# EAGLE board Mk4 Final Panel 8up 2x4 (EAGLE 9.0.1), part 6 of 23 (continued)
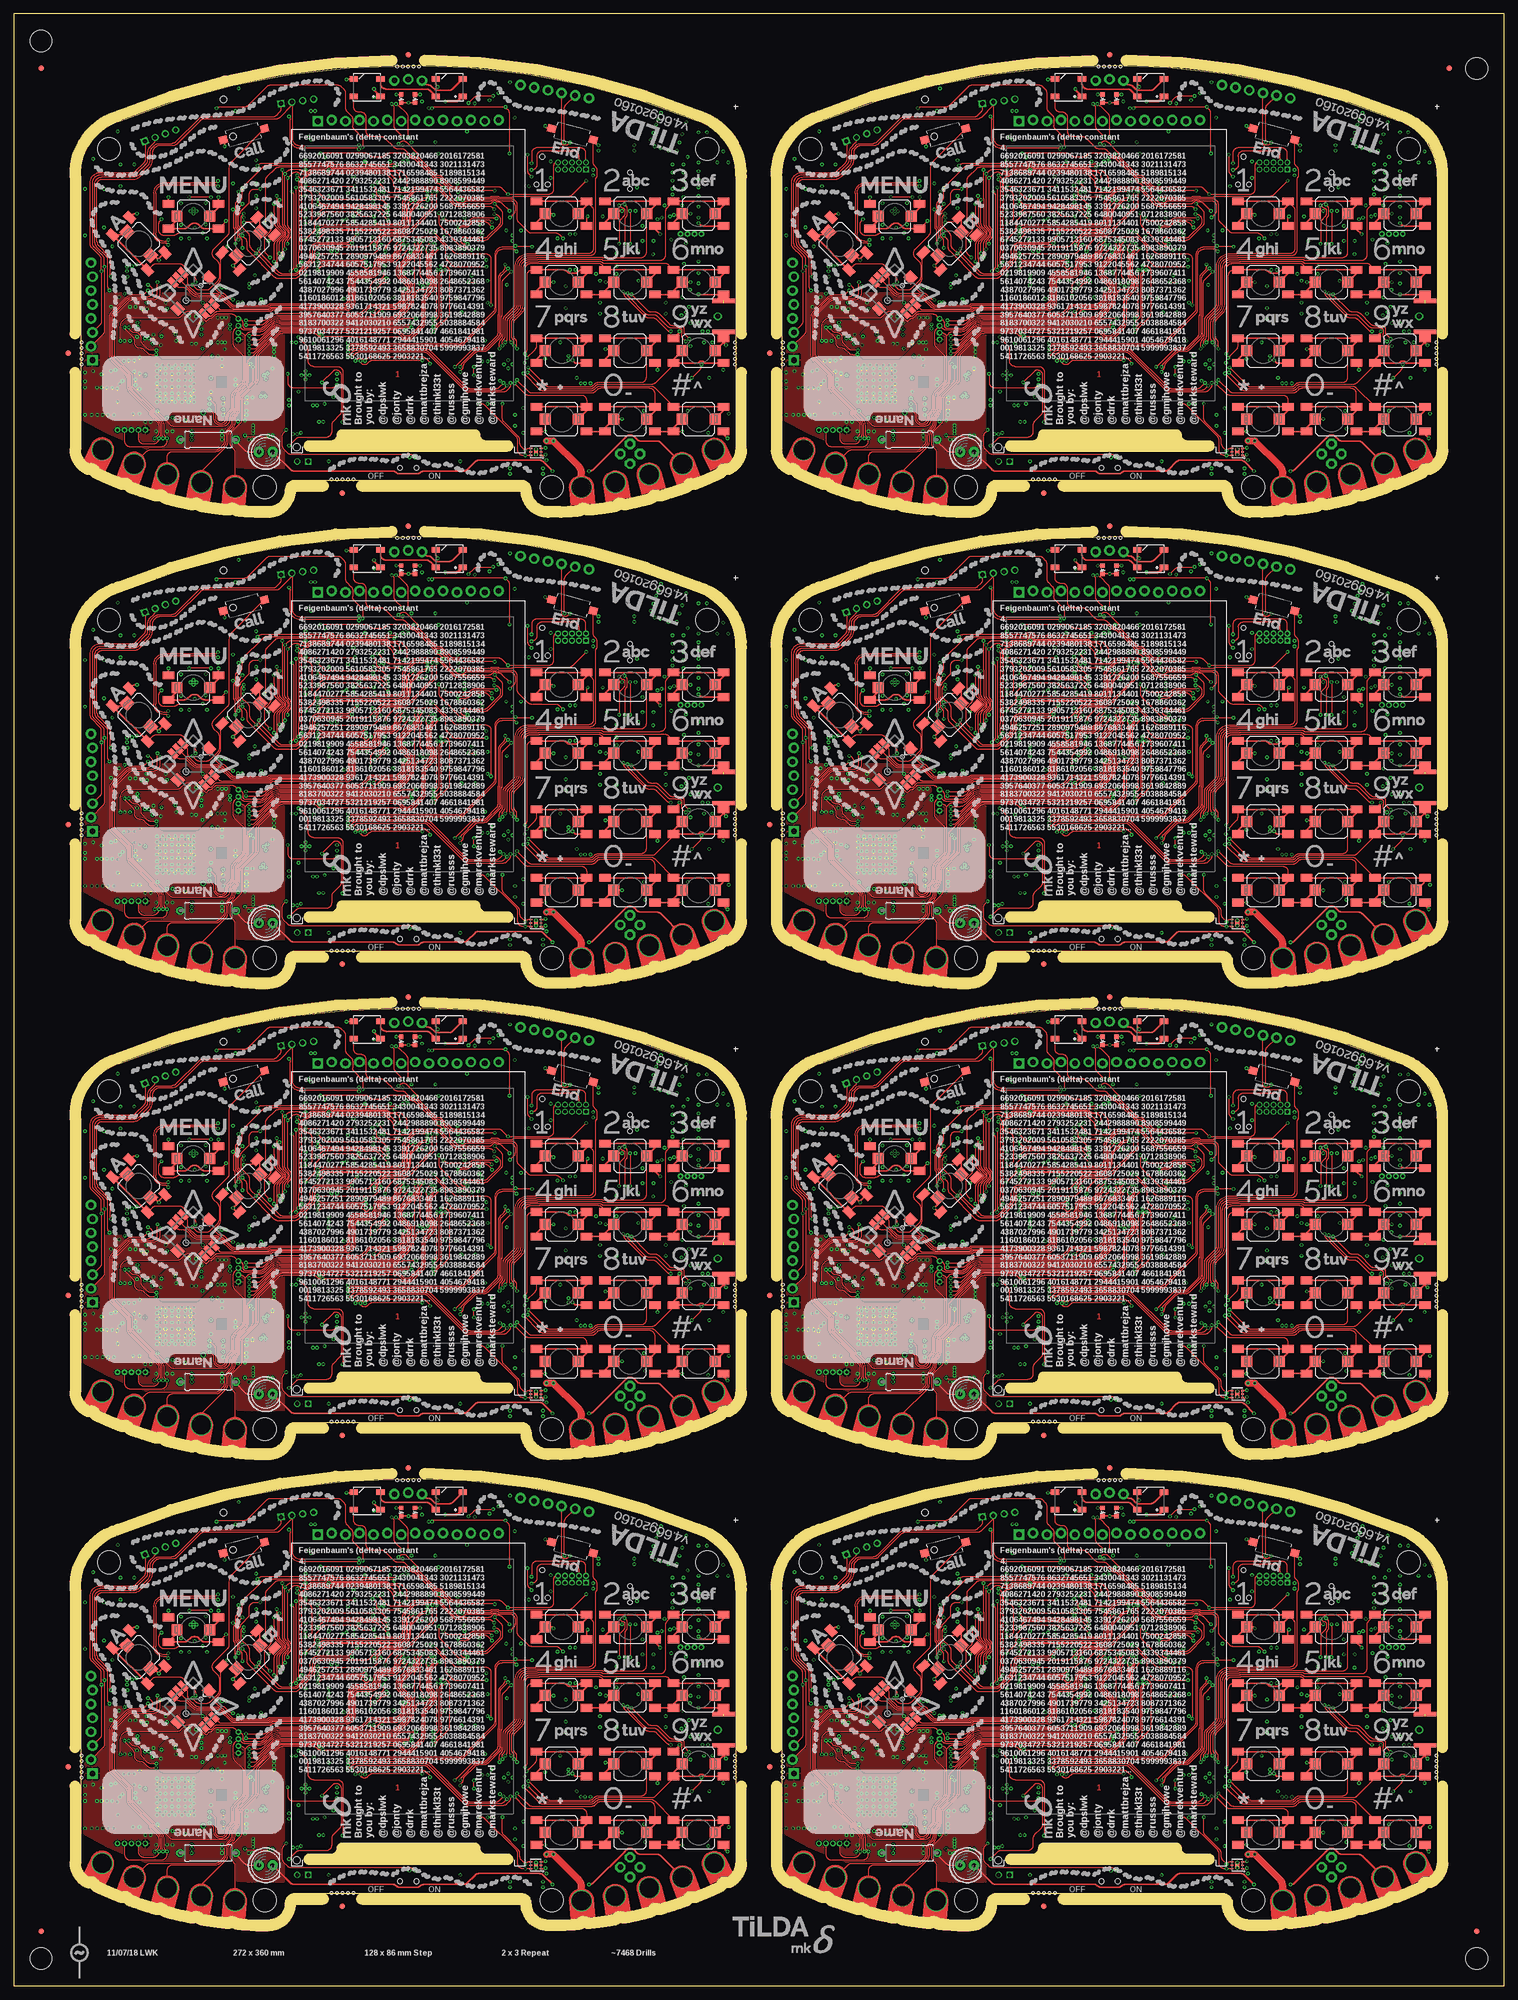
[diagram p0: board, top side]
## Tracks (layer width: path | path; a pad name or v marks a point on that pad's centre or on a via) (continued)
3V5  (via drill 0.3)
  Top 0.2: IC88.1 96.69,193.35 arc45 v97.05,193.5
  Top 0.3: SW5.COM 35.58,220.17 v34.5,221.25
  Bottom 0.15: v86.5,202.75 C534.1 86,203.5 arc-90 85.5,204 85.5,204.16 arc-90 IC86.5
  Bottom 0.2: IC74.9 75,227.75 C447.2 | IC74.8 75.4,230.19 arc-45 75.55,230.55 v75.75,230.75 75.8,230.7 IC74.7 | IC74.16 72.2,228.01 arc45 72.35,227.65 C446.2 v72.5,226.75 | IC74.47 63.46,236.4 arc45 C444.2 | IC74.113 80.14,236.8 arc45 80.84,237.09 C443.2 | IC74.79 71.4,245.44 arc45 71.11,246.14 C445.2 | IC74.69 67.4,243.86 arc-45 v67.25,243.5 67.15,243.6 arc-45 67,243.96 IC74.68 | 32.75,211.28 IC83.47 | IC74.90 75.8,243.55 v75.75,243.5 | IC74.51 v63,238 63.11,238.11 arc-45 63.81,238.4 IC74.52 | IC74.39 v65.5,233.2 | IC74.28 67.4,228.35 arc90 v67.75,228 arc90 68.2,228.45 IC74.26 | R327.1 v79.5,229.5 | IC74.122 78.62,233.2 arc-45 v78.5,233.25 | v97.05,193.5 C536.1 | IC74.101 80.95,241.6 v81.1,241.45 | R340.2 v84.75,231 | R339.2 85.07,233.32 arc-45 v85.5,233.5 | R378.1 20.5,223.5 arc-45 v20.25,222.9
  Bottom 0.25: J41.41 64.25,222 | J41.40 64.75,221.29 arc45 64.6,221.65 64.25,222 | J41.42 63.75,221.29 arc-45 63.9,221.65 64.25,222 | J41.35 v67.25,219.5 | J41.1 v84.25,219.5 | J41.8 v80.75,222 | J41.7 81.25,221.5 v80.75,222 | J41.9 80.25,221.5 v80.75,222 | C447.2 75.25,226.12 C448.2 75.5,225.62 v75.5,224.75 | v62,236.1 C444.2 | v82.25,237.75 C443.2 | v71,247 C445.2 | R322.2 v71,250 | R323.2 v62,244.25 | C521.1 32.16,212.5 arc45 31.46,212.21 arc45 31.25,211.71 IC83.44 | IC83.39 28.75,213.55 C522.1 | IC83.37 27.75,213.35 C520.1 | C523.1 v28,200.25 28.46,200.71 arc45 28.75,201.41 IC83.10 | C524.1 v36,207.5 35.9,207.6 arc45 35.54,207.75 IC83.54 | IC85.21 C455.2 | v86,214.3 R386.2 | JP39.8 74.35,255.71 arc45 74.5,256.06 C437.2 | IC82.6 33.12,235.03 v33.05,234.95 C509.1
  Bottom 0.3: 33.22,211.75 32.75,211.28 | R385.2 v21.25,214.25 | JP37.1 97.63,246.63 v98,247 | IC81.14 106.81,243.44 R368.2 C496.2 v105.75,244.5 | IC76.8 81.35,230.15 C436.2 v81.25,231 | R328.1 v90,224.5 | C462.2 54.43,226.25 IC73.27 54.33,226.25 v53.25,226.25 | v44.25,238.5 arc-45 43.77,238.3 IC73.43 41.8,238.3 C458.2 | v44.25,243 44.15,243.1 IC73.49 41.85,243.1 C461.2 | v53.25,245.5 IC73.3 C456.2 | v53.25,247.25 53.4,247.1 IC73.1 55.65,247.1 C460.2 | v53.25,240.75 53.3,240.7 IC73.9 55.7,240.7 C457.2 | v53.25,236.75 53.3,236.7 IC73.14 55.7,236.7 C459.2 | C477.2 v38,218.5 | C477.2 38.75,219 v38.75,218.5 | C477.2 37.25,219 v37.25,218.5 | v91,233.5 R362.2 | C535.1 R372.1 | R338.2 R337.2 v57.3,232.75 | C520.1 v26.85,213.5 | C438.2 80.89,252.61 JP39.11 | v92.6,234.45 C495.2 92.03,234.72 IC80.8 | J46.7 J46.3 | J48.7 J48.3 | IC89.5 C539.1 v90.6,191
  Bottom 0.4: 33.22,211.75 34.19,211.75 arc45 34.89,212.04 C525.1 35.6,213.39 arc-45 35.75,213.75 v36,214 | v33.25,213.75 33.25,213.66 arc-45 32.96,212.96 32.7,212.7 C521.1 32.5,212.7 v32.5,213.75 | C522.1 29.1,213.7 v29.65,214.25 | v38.25,203.75 R380.2 | v38.25,201.75 R381.2 | v28,220.15 28.5,220.15 arc90 29.5,221.15 C510.2 29.5,221.53 arc45 29.21,222.24 IC84.8 | R379.2 v24.25,221.25 | v86.5,210.5 C455.2 | v40.95,199.6 R372.1 | C478.2 v32.5,197 | C478.2 33,197.75 v32.5,197.75 | C478.2 33,196.25 v32.5,196.25 | IC90.1 99.05,194 C540.1 97.96,194 arc45 97.26,193.71 v97.05,193.5 | TP92.TP 45.55,205.95 v45.55,204.65
  Bottom 0.5: C439.2 89.14,254 JP39.14
  other vias: 64.5,225.25 45.15,204.15 45.95,204.15 46.3,208.35 46,207.35 45.7,207.95
  pour 3V3@2 (isolate 0.254, rank 6): 12.2,246.5 12.2,193 arc31 44,184 46.7,184 arc90 49.5,186.8 arc-90 51.5,188.8 92.5,188.8 arc-90 94.5,186.8 arc90 97.3,184 100,184 arc31 131.8,193 131.8,216.5 125.5,216.5 125.5,246.5 131.8,246.5 arc64 125.25,254.25 arc24 72,264.5 arc24 18.75,254.25 arc55
  pour Bottom (no thermals): 64.25,224 64.25,225.3 64.45,225.5 64.8,225.5 65,225.3 65,223.75 64.5,223.25 64.5,221.75 64,221.75 64,223.75
  pour Bottom (no thermals): 48.3,199.65 46.75,199.65 46.35,200.05 arc45 45.99,200.2 44.85,200.2 44.85,207.39 arc-45 45,207.75 45.85,208.6 arc-45 46.21,208.75 46.25,208.75 arc-90 46.75,208.25 46.75,208.11 arc-45 46.6,207.75 46.45,207.6 arc45 46.3,207.24 46.3,201.4 arc90 46.8,200.9 47.8,200.9 arc-90 48.3,200.4
  pour Top: 36.35,218.85 34.65,217.15 arc-45 34.29,217 28.41,217 arc45 27.71,216.71 26.79,215.79 arc45 26.5,215.09 26.5,212 arc90 27.5,211 33.09,211 arc45 33.79,211.29 37.71,215.21 arc45 38,215.91 38,216.29 arc-45 38.15,216.65 39.35,217.85 arc45 39.5,218.21 39.5,218.5 arc90 39,219 36.71,219 arc45
3V6  (via drill 0.3)
  Top 0.2: IC106.1 224.69,193.35 arc45 v225.05,193.5
  Top 0.3: SW6.COM 163.58,220.17 v162.5,221.25
  Bottom 0.15: v214.5,202.75 C642.1 214,203.5 arc-90 213.5,204 213.5,204.16 arc-90 IC104.5
  Bottom 0.2: IC92.9 203,227.75 C555.2 | IC92.8 203.4,230.19 arc-45 203.55,230.55 v203.75,230.75 203.8,230.7 IC92.7 | IC92.16 200.2,228.01 arc45 200.35,227.65 C554.2 v200.5,226.75 | IC92.47 191.46,236.4 arc45 C552.2 | IC92.113 208.14,236.8 arc45 208.84,237.09 C551.2 | IC92.79 199.4,245.44 arc45 199.11,246.14 C553.2 | IC92.69 195.4,243.86 arc-45 v195.25,243.5 195.15,243.6 arc-45 195,243.96 IC92.68 | 160.75,211.28 IC101.47 | IC92.90 203.8,243.55 v203.75,243.5 | IC92.51 v191,238 191.11,238.11 arc-45 191.81,238.4 IC92.52 | IC92.39 v193.5,233.2 | IC92.28 195.4,228.35 arc90 v195.75,228 arc90 196.2,228.45 IC92.26 | R405.1 v207.5,229.5 | IC92.122 206.62,233.2 arc-45 v206.5,233.25 | v225.05,193.5 C644.1 | IC92.101 208.95,241.6 v209.1,241.45 | R418.2 v212.75,231 | R417.2 213.07,233.32 arc-45 v213.5,233.5 | R456.1 148.5,223.5 arc-45 v148.25,222.9
  Bottom 0.25: J51.41 192.25,222 | J51.40 192.75,221.29 arc45 192.6,221.65 192.25,222 | J51.42 191.75,221.29 arc-45 191.9,221.65 192.25,222 | J51.35 v195.25,219.5 | J51.1 v212.25,219.5 | J51.8 v208.75,222 | J51.7 209.25,221.5 v208.75,222 | J51.9 208.25,221.5 v208.75,222 | C555.2 203.25,226.12 C556.2 203.5,225.62 v203.5,224.75 | v190,236.1 C552.2 | v210.25,237.75 C551.2 | v199,247 C553.2 | R400.2 v199,250 | R401.2 v190,244.25 | C629.1 160.16,212.5 arc45 159.46,212.21 arc45 159.25,211.71 IC101.44 | IC101.39 156.75,213.55 C630.1 | IC101.37 155.75,213.35 C628.1 | C631.1 v156,200.25 156.46,200.71 arc45 156.75,201.41 IC101.10 | C632.1 v164,207.5 163.9,207.6 arc45 163.54,207.75 IC101.54 | IC103.21 C563.2 | v214,214.3 R464.2 | JP48.8 202.35,255.71 arc45 202.5,256.06 C545.2 | IC100.6 161.12,235.03 v161.05,234.95 C617.1
  Bottom 0.3: 161.22,211.75 160.75,211.28 | R463.2 v149.25,214.25 | JP46.1 225.63,246.63 v226,247 | IC99.14 234.81,243.44 R446.2 C604.2 v233.75,244.5 | IC94.8 209.35,230.15 C544.2 v209.25,231 | R406.1 v218,224.5 | C570.2 182.43,226.25 IC91.27 182.33,226.25 v181.25,226.25 | v172.25,238.5 arc-45 171.77,238.3 IC91.43 169.8,238.3 C566.2 | v172.25,243 172.15,243.1 IC91.49 169.85,243.1 C569.2 | v181.25,245.5 IC91.3 C564.2 | v181.25,247.25 181.4,247.1 IC91.1 183.65,247.1 C568.2 | v181.25,240.75 181.3,240.7 IC91.9 183.7,240.7 C565.2 | v181.25,236.75 181.3,236.7 IC91.14 183.7,236.7 C567.2 | C585.2 v166,218.5 | C585.2 166.75,219 v166.75,218.5 | C585.2 165.25,219 v165.25,218.5 | v219,233.5 R440.2 | C643.1 R450.1 | R416.2 R415.2 v185.3,232.75 | C628.1 v154.85,213.5 | C546.2 208.89,252.61 JP48.11 | v220.6,234.45 C603.2 220.03,234.72 IC98.8 | J56.7 J56.3 | J58.7 J58.3 | IC107.5 C647.1 v218.6,191
  Bottom 0.4: 161.22,211.75 162.19,211.75 arc45 162.89,212.04 C633.1 163.6,213.39 arc-45 163.75,213.75 v164,214 | v161.25,213.75 161.25,213.66 arc-45 160.96,212.96 160.7,212.7 C629.1 160.5,212.7 v160.5,213.75 | C630.1 157.1,213.7 v157.65,214.25 | v166.25,203.75 R458.2 | v166.25,201.75 R459.2 | v156,220.15 156.5,220.15 arc90 157.5,221.15 C618.2 157.5,221.53 arc45 157.21,222.24 IC102.8 | R457.2 v152.25,221.25 | v214.5,210.5 C563.2 | v168.95,199.6 R450.1 | C586.2 v160.5,197 | C586.2 161,197.75 v160.5,197.75 | C586.2 161,196.25 v160.5,196.25 | IC108.1 227.05,194 C648.1 225.96,194 arc45 225.26,193.71 v225.05,193.5 | TP111.TP 173.55,205.95 v173.55,204.65
  Bottom 0.5: C547.2 217.14,254 JP48.14
  other vias: 192.5,225.25 173.15,204.15 173.95,204.15 174.3,208.35 174,207.35 173.7,207.95
  pour 3V3@2 (isolate 0.254, rank 6): 140.2,246.5 140.2,193 arc31 172,184 174.7,184 arc90 177.5,186.8 arc-90 179.5,188.8 220.5,188.8 arc-90 222.5,186.8 arc90 225.3,184 228,184 arc31 259.8,193 259.8,216.5 253.5,216.5 253.5,246.5 259.8,246.5 arc64 253.25,254.25 arc24 200,264.5 arc24 146.75,254.25 arc55
  pour Bottom (no thermals): 192.25,224 192.25,225.3 192.45,225.5 192.8,225.5 193,225.3 193,223.75 192.5,223.25 192.5,221.75 192,221.75 192,223.75
  pour Bottom (no thermals): 176.3,199.65 174.75,199.65 174.35,200.05 arc45 173.99,200.2 172.85,200.2 172.85,207.39 arc-45 173,207.75 173.85,208.6 arc-45 174.21,208.75 174.25,208.75 arc-90 174.75,208.25 174.75,208.11 arc-45 174.6,207.75 174.45,207.6 arc45 174.3,207.24 174.3,201.4 arc90 174.8,200.9 175.8,200.9 arc-90 176.3,200.4
  pour Top: 164.35,218.85 162.65,217.15 arc-45 162.29,217 156.41,217 arc45 155.71,216.71 154.79,215.79 arc45 154.5,215.09 154.5,212 arc90 155.5,211 161.09,211 arc45 161.79,211.29 165.71,215.21 arc45 166,215.91 166,216.29 arc-45 166.15,216.65 167.35,217.85 arc45 167.5,218.21 167.5,218.5 arc90 167,219 164.71,219 arc45
3V7  (via drill 0.3)
  Top 0.2: IC124.1 96.69,279.35 arc45 v97.05,279.5
  Top 0.3: SW7.COM 35.58,306.17 v34.5,307.25
  Bottom 0.15: v86.5,288.75 C750.1 86,289.5 arc-90 85.5,290 85.5,290.16 arc-90 IC122.5
  Bottom 0.2: IC110.9 75,313.75 C663.2 | IC110.8 75.4,316.19 arc-45 75.55,316.55 v75.75,316.75 75.8,316.7 IC110.7 | IC110.16 72.2,314.01 arc45 72.35,313.65 C662.2 v72.5,312.75 | IC110.47 63.46,322.4 arc45 C660.2 | IC110.113 80.14,322.8 arc45 80.84,323.09 C659.2 | IC110.79 71.4,331.44 arc45 71.11,332.14 C661.2 | IC110.69 67.4,329.86 arc-45 v67.25,329.5 67.15,329.6 arc-45 67,329.96 IC110.68 | 32.75,297.28 IC119.47 | IC110.90 75.8,329.55 v75.75,329.5 | IC110.51 v63,324 63.11,324.11 arc-45 63.81,324.4 IC110.52 | IC110.39 v65.5,319.2 | IC110.28 67.4,314.35 arc90 v67.75,314 arc90 68.2,314.45 IC110.26 | R483.1 v79.5,315.5 | IC110.122 78.62,319.2 arc-45 v78.5,319.25 | v97.05,279.5 C752.1 | IC110.101 80.95,327.6 v81.1,327.45 | R496.2 v84.75,317 | R495.2 85.07,319.32 arc-45 v85.5,319.5 | R534.1 20.5,309.5 arc-45 v20.25,308.9
  Bottom 0.25: J61.41 64.25,308 | J61.40 64.75,307.29 arc45 64.6,307.65 64.25,308 | J61.42 63.75,307.29 arc-45 63.9,307.65 64.25,308 | J61.35 v67.25,305.5 | J61.1 v84.25,305.5 | J61.8 v80.75,308 | J61.7 81.25,307.5 v80.75,308 | J61.9 80.25,307.5 v80.75,308 | C663.2 75.25,312.12 C664.2 75.5,311.62 v75.5,310.75 | v62,322.1 C660.2 | v82.25,323.75 C659.2 | v71,333 C661.2 | R478.2 v71,336 | R479.2 v62,330.25 | C737.1 32.16,298.5 arc45 31.46,298.21 arc45 31.25,297.71 IC119.44 | IC119.39 28.75,299.55 C738.1 | IC119.37 27.75,299.35 C736.1 | C739.1 v28,286.25 28.46,286.71 arc45 28.75,287.41 IC119.10 | C740.1 v36,293.5 35.9,293.6 arc45 35.54,293.75 IC119.54 | IC121.21 C671.2 | v86,300.3 R542.2 | JP57.8 74.35,341.71 arc45 74.5,342.06 C653.2 | IC118.6 33.12,321.02 v33.05,320.95 C725.1
  Bottom 0.3: 33.22,297.75 32.75,297.28 | R541.2 v21.25,300.25 | JP55.1 97.63,332.63 v98,333 | IC117.14 106.81,329.44 R524.2 C712.2 v105.75,330.5 | IC112.8 81.35,316.15 C652.2 v81.25,317 | R484.1 v90,310.5 | C678.2 54.43,312.25 IC109.27 54.33,312.25 v53.25,312.25 | v44.25,324.5 arc-45 43.77,324.3 IC109.43 41.8,324.3 C674.2 | v44.25,329 44.15,329.1 IC109.49 41.85,329.1 C677.2 | v53.25,331.5 IC109.3 C672.2 | v53.25,333.25 53.4,333.1 IC109.1 55.65,333.1 C676.2 | v53.25,326.75 53.3,326.7 IC109.9 55.7,326.7 C673.2 | v53.25,322.75 53.3,322.7 IC109.14 55.7,322.7 C675.2 | C693.2 v38,304.5 | C693.2 38.75,305 v38.75,304.5 | C693.2 37.25,305 v37.25,304.5 | v91,319.5 R518.2 | C751.1 R528.1 | R494.2 R493.2 v57.3,318.75 | C736.1 v26.85,299.5 | C654.2 80.89,338.61 JP57.11 | v92.6,320.45 C711.2 92.03,320.73 IC116.8 | J66.7 J66.3 | J68.7 J68.3 | IC125.5 C755.1 v90.6,277
  Bottom 0.4: 33.22,297.75 34.19,297.75 arc45 34.89,298.04 C741.1 35.6,299.39 arc-45 35.75,299.75 v36,300 | v33.25,299.75 33.25,299.66 arc-45 32.96,298.96 32.7,298.7 C737.1 32.5,298.7 v32.5,299.75 | C738.1 29.1,299.7 v29.65,300.25 | v38.25,289.75 R536.2 | v38.25,287.75 R537.2 | v28,306.15 28.5,306.15 arc90 29.5,307.15 C726.2 29.5,307.53 arc45 29.21,308.24 IC120.8 | R535.2 v24.25,307.25 | v86.5,296.5 C671.2 | v40.95,285.6 R528.1 | C694.2 v32.5,283 | C694.2 33,283.75 v32.5,283.75 | C694.2 33,282.25 v32.5,282.25 | IC126.1 99.05,280 C756.1 97.96,280 arc45 97.26,279.71 v97.05,279.5 | TP130.TP 45.55,291.95 v45.55,290.65
  Bottom 0.5: C655.2 89.14,340 JP57.14
  other vias: 64.5,311.25 45.15,290.15 45.95,290.15 46.3,294.35 46,293.35 45.7,293.95
  pour 3V3@2 (isolate 0.254, rank 6): 12.2,332.5 12.2,279 arc31 44,270 46.7,270 arc90 49.5,272.8 arc-90 51.5,274.8 92.5,274.8 arc-90 94.5,272.8 arc90 97.3,270 100,270 arc31 131.8,279 131.8,302.5 125.5,302.5 125.5,332.5 131.8,332.5 arc64 125.25,340.25 arc24 72,350.5 arc24 18.75,340.25 arc55
  pour Bottom (no thermals): 64.25,310 64.25,311.3 64.45,311.5 64.8,311.5 65,311.3 65,309.75 64.5,309.25 64.5,307.75 64,307.75 64,309.75
  pour Bottom (no thermals): 48.3,285.65 46.75,285.65 46.35,286.05 arc45 45.99,286.2 44.85,286.2 44.85,293.39 arc-45 45,293.75 45.85,294.6 arc-45 46.21,294.75 46.25,294.75 arc-90 46.75,294.25 46.75,294.11 arc-45 46.6,293.75 46.45,293.6 arc45 46.3,293.24 46.3,287.4 arc90 46.8,286.9 47.8,286.9 arc-90 48.3,286.4
  pour Top: 36.35,304.85 34.65,303.15 arc-45 34.29,303 28.41,303 arc45 27.71,302.71 26.79,301.79 arc45 26.5,301.09 26.5,298 arc90 27.5,297 33.09,297 arc45 33.79,297.29 37.71,301.21 arc45 38,301.91 38,302.29 arc-45 38.15,302.65 39.35,303.85 arc45 39.5,304.21 39.5,304.5 arc90 39,305 36.71,305 arc45
3V8  (via drill 0.3)
  Top 0.2: IC142.1 224.69,279.35 arc45 v225.05,279.5
  Top 0.3: SW8.COM 163.58,306.17 v162.5,307.25
  Bottom 0.15: v214.5,288.75 C858.1 214,289.5 arc-90 213.5,290 213.5,290.16 arc-90 IC140.5
  Bottom 0.2: IC128.9 203,313.75 C771.2 | IC128.8 203.4,316.19 arc-45 203.55,316.55 v203.75,316.75 203.8,316.7 IC128.7 | IC128.16 200.2,314.01 arc45 200.35,313.65 C770.2 v200.5,312.75 | IC128.47 191.46,322.4 arc45 C768.2 | IC128.113 208.14,322.8 arc45 208.84,323.09 C767.2 | IC128.79 199.4,331.44 arc45 199.11,332.14 C769.2 | IC128.69 195.4,329.86 arc-45 v195.25,329.5 195.15,329.6 arc-45 195,329.96 IC128.68 | 160.75,297.28 IC137.47 | IC128.90 203.8,329.55 v203.75,329.5 | IC128.51 v191,324 191.11,324.11 arc-45 191.81,324.4 IC128.52 | IC128.39 v193.5,319.2 | IC128.28 195.4,314.35 arc90 v195.75,314 arc90 196.2,314.45 IC128.26 | R561.1 v207.5,315.5 | IC128.122 206.62,319.2 arc-45 v206.5,319.25 | v225.05,279.5 C860.1 | IC128.101 208.95,327.6 v209.1,327.45 | R574.2 v212.75,317 | R573.2 213.07,319.32 arc-45 v213.5,319.5 | R612.1 148.5,309.5 arc-45 v148.25,308.9
  Bottom 0.25: J71.41 192.25,308 | J71.40 192.75,307.29 arc45 192.6,307.65 192.25,308 | J71.42 191.75,307.29 arc-45 191.9,307.65 192.25,308 | J71.35 v195.25,305.5 | J71.1 v212.25,305.5 | J71.8 v208.75,308 | J71.7 209.25,307.5 v208.75,308 | J71.9 208.25,307.5 v208.75,308 | C771.2 203.25,312.12 C772.2 203.5,311.62 v203.5,310.75 | v190,322.1 C768.2 | v210.25,323.75 C767.2 | v199,333 C769.2 | R556.2 v199,336 | R557.2 v190,330.25 | C845.1 160.16,298.5 arc45 159.46,298.21 arc45 159.25,297.71 IC137.44 | IC137.39 156.75,299.55 C846.1 | IC137.37 155.75,299.35 C844.1 | C847.1 v156,286.25 156.46,286.71 arc45 156.75,287.41 IC137.10 | C848.1 v164,293.5 163.9,293.6 arc45 163.54,293.75 IC137.54 | IC139.21 C779.2 | v214,300.3 R620.2 | JP66.8 202.35,341.71 arc45 202.5,342.06 C761.2 | IC136.6 161.12,321.02 v161.05,320.95 C833.1
  Bottom 0.3: 161.22,297.75 160.75,297.28 | R619.2 v149.25,300.25 | JP64.1 225.63,332.63 v226,333 | IC135.14 234.81,329.44 R602.2 C820.2 v233.75,330.5 | IC130.8 209.35,316.15 C760.2 v209.25,317 | R562.1 v218,310.5 | C786.2 182.43,312.25 IC127.27 182.33,312.25 v181.25,312.25 | v172.25,324.5 arc-45 171.77,324.3 IC127.43 169.8,324.3 C782.2 | v172.25,329 172.15,329.1 IC127.49 169.85,329.1 C785.2 | v181.25,331.5 IC127.3 C780.2 | v181.25,333.25 181.4,333.1 IC127.1 183.65,333.1 C784.2 | v181.25,326.75 181.3,326.7 IC127.9 183.7,326.7 C781.2 | v181.25,322.75 181.3,322.7 IC127.14 183.7,322.7 C783.2 | C801.2 v166,304.5 | C801.2 166.75,305 v166.75,304.5 | C801.2 165.25,305 v165.25,304.5 | v219,319.5 R596.2 | C859.1 R606.1 | R572.2 R571.2 v185.3,318.75 | C844.1 v154.85,299.5 | C762.2 208.89,338.61 JP66.11 | v220.6,320.45 C819.2 220.03,320.73 IC134.8 | J76.7 J76.3 | J78.7 J78.3 | IC143.5 C863.1 v218.6,277
  Bottom 0.4: 161.22,297.75 162.19,297.75 arc45 162.89,298.04 C849.1 163.6,299.39 arc-45 163.75,299.75 v164,300 | v161.25,299.75 161.25,299.66 arc-45 160.96,298.96 160.7,298.7 C845.1 160.5,298.7 v160.5,299.75 | C846.1 157.1,299.7 v157.65,300.25 | v166.25,289.75 R614.2 | v166.25,287.75 R615.2 | v156,306.15 156.5,306.15 arc90 157.5,307.15 C834.2 157.5,307.53 arc45 157.21,308.24 IC138.8 | R613.2 v152.25,307.25 | v214.5,296.5 C779.2 | v168.95,285.6 R606.1 | C802.2 v160.5,283 | C802.2 161,283.75 v160.5,283.75 | C802.2 161,282.25 v160.5,282.25 | IC144.1 227.05,280 C864.1 225.96,280 arc45 225.26,279.71 v225.05,279.5 | TP149.TP 173.55,291.95 v173.55,290.65
  Bottom 0.5: C763.2 217.14,340 JP66.14
  other vias: 192.5,311.25 173.15,290.15 173.95,290.15 174.3,294.35 174,293.35 173.7,293.95
  pour 3V3@2 (isolate 0.254, rank 6): 140.2,332.5 140.2,279 arc31 172,270 174.7,270 arc90 177.5,272.8 arc-90 179.5,274.8 220.5,274.8 arc-90 222.5,272.8 arc90 225.3,270 228,270 arc31 259.8,279 259.8,302.5 253.5,302.5 253.5,332.5 259.8,332.5 arc64 253.25,340.25 arc24 200,350.5 arc24 146.75,340.25 arc55
  pour Bottom (no thermals): 192.25,310 192.25,311.3 192.45,311.5 192.8,311.5 193,311.3 193,309.75 192.5,309.25 192.5,307.75 192,307.75 192,309.75
  pour Bottom (no thermals): 176.3,285.65 174.75,285.65 174.35,286.05 arc45 173.99,286.2 172.85,286.2 172.85,293.39 arc-45 173,293.75 173.85,294.6 arc-45 174.21,294.75 174.25,294.75 arc-90 174.75,294.25 174.75,294.11 arc-45 174.6,293.75 174.45,293.6 arc45 174.3,293.24 174.3,287.4 arc90 174.8,286.9 175.8,286.9 arc-90 176.3,286.4
  pour Top: 164.35,304.85 162.65,303.15 arc-45 162.29,303 156.41,303 arc45 155.71,302.71 154.79,301.79 arc45 154.5,301.09 154.5,298 arc90 155.5,297 161.09,297 arc45 161.79,297.29 165.71,301.21 arc45 166,301.91 166,302.29 arc-45 166.15,302.65 167.35,303.85 arc45 167.5,304.21 167.5,304.5 arc90 167,305 164.71,305 arc45
!HIB
  Bottom 0.2: IC1.65 65.8,73.24 arc45 65.65,73.6 65.6,73.65 arc90 64.9,73.65 64.4,73.15 TP1.TP
!HIB1
  Bottom 0.2: IC20.65 193.8,73.24 arc45 193.65,73.6 193.6,73.65 arc90 192.9,73.65 192.4,73.15 TP20.TP
!HIB2
  Bottom 0.2: IC38.65 65.8,159.24 arc45 65.65,159.6 65.6,159.65 arc90 64.9,159.65 64.4,159.15 TP39.TP
!HIB3
  Bottom 0.2: IC56.65 193.8,159.24 arc45 193.65,159.6 193.6,159.65 arc90 192.9,159.65 192.4,159.15 TP58.TP
!HIB4
  Bottom 0.2: IC74.65 65.8,245.24 arc45 65.65,245.6 65.6,245.65 arc90 64.9,245.65 64.4,245.15 TP77.TP
!HIB5
  Bottom 0.2: IC92.65 193.8,245.24 arc45 193.65,245.6 193.6,245.65 arc90 192.9,245.65 192.4,245.15 TP96.TP
!HIB6
  Bottom 0.2: IC110.65 65.8,331.24 arc45 65.65,331.6 65.6,331.65 arc90 64.9,331.65 64.4,331.15 TP115.TP
!HIB7
  Bottom 0.2: IC128.65 193.8,331.24 arc45 193.65,331.6 193.6,331.65 arc90 192.9,331.65 192.4,331.15 TP134.TP
!RESET  (via drill 0.3)
  Top 0.15: v89.7,56.2 89.7,55.81 arc-45 89.41,55.11 88.82,54.52 arc45 88.53,53.81 88.53,47.15 arc-45 88.5,47.08 88.43,47.01 arc45 88.4,46.94 88.4,43.76 arc-45 88.11,43.06 86.24,41.19 arc-45 85.54,40.9 84.31,40.9 arc45 83.61,40.61 v80.5,37.5
  Top 0.2: J3.10 98.84,74.84 arc45 98.6,74.27 98.6,70.05 arc-90 97.6,69.05 v90.2,69.05 89.19,70.06 arc45 88.49,70.35 80.46,70.35 arc-45 79.75,70.64 78.14,72.25 arc45 77.79,72.4 77.67,72.4 arc-45 76.96,72.69 74.02,75.63 arc-45 73.73,76.34 arc45 73.6,76.65 71.83,78.42 arc90 70.42,78.42 v70.25,78.25
  3V3@2 0.15: v90.2,69.05 90.2,66.8 88.62,65.22 88.62,64.38 88.5,64.26 88.5,58.65 89.7,57.45 v89.7,56.2
  Bottom 0.15: IC1.70 67.8,73.59 arc-45 67.95,73.95 68.25,74.25 arc-45 68.61,74.4 68.79,74.4 arc45 69.15,74.55 69.85,75.25 arc45 70,75.61 C15.2 | R4.1 70,77.79 arc-45 70.15,78.15 v70.25,78.25 | v80.5,37.5 80.5,31.82 arc45 81.01,30.59 86.09,25.51 arc45 87.33,25 90.45,25 arc-90 91.7,23.75 91.7,22.16 arc-45 91.41,21.46 90.41,20.46 arc-45 90.27,20.4 89.56,20.4 arc45 89.42,20.34 89.38,20.31 arc-45 89.24,20.25 S19.2
  Bottom 0.2: C15.2 R4.1
!RESET1  (via drill 0.3)
  Top 0.15: v217.7,56.2 217.7,55.81 arc-45 217.41,55.11 216.82,54.52 arc45 216.53,53.81 216.53,47.15 arc-45 216.5,47.08 216.43,47.01 arc45 216.4,46.94 216.4,43.76 arc-45 216.11,43.06 214.24,41.19 arc-45 213.54,40.9 212.31,40.9 arc45 211.61,40.61 v208.5,37.5
  Top 0.2: J13.10 226.84,74.84 arc45 226.6,74.27 226.6,70.05 arc-90 225.6,69.05 v218.2,69.05 217.19,70.06 arc45 216.49,70.35 208.46,70.35 arc-45 207.75,70.64 206.14,72.25 arc45 205.79,72.4 205.67,72.4 arc-45 204.96,72.69 202.02,75.63 arc-45 201.73,76.34 arc45 201.6,76.65 199.83,78.42 arc90 198.42,78.42 v198.25,78.25
  3V3@2 0.15: v218.2,69.05 218.2,66.8 216.62,65.22 216.62,64.38 216.5,64.26 216.5,58.65 217.7,57.45 v217.7,56.2
  Bottom 0.15: IC20.70 195.8,73.59 arc-45 195.95,73.95 196.25,74.25 arc-45 196.61,74.4 196.79,74.4 arc45 197.15,74.55 197.85,75.25 arc45 198,75.61 C125.2 | R88.1 198,77.79 arc-45 198.15,78.15 v198.25,78.25 | v208.5,37.5 208.5,31.82 arc45 209.01,30.59 214.09,25.51 arc45 215.32,25 218.45,25 arc-90 219.7,23.75 219.7,22.16 arc-45 219.41,21.46 218.41,20.46 arc-45 218.27,20.4 217.56,20.4 arc45 217.42,20.34 217.38,20.31 arc-45 217.24,20.25 S40.2
  Bottom 0.2: C125.2 R88.1
!RESET2  (via drill 0.3)
  Top 0.15: v89.7,142.2 89.7,141.81 arc-45 89.41,141.11 88.82,140.52 arc45 88.53,139.81 88.53,133.15 arc-45 88.5,133.08 88.43,133.01 arc45 88.4,132.94 88.4,129.76 arc-45 88.11,129.06 86.24,127.19 arc-45 85.54,126.9 84.31,126.9 arc45 83.61,126.61 v80.5,123.5
  Top 0.2: J23.10 98.84,160.84 arc45 98.6,160.27 98.6,156.05 arc-90 97.6,155.05 v90.2,155.05 89.19,156.06 arc45 88.49,156.35 80.46,156.35 arc-45 79.75,156.64 78.14,158.25 arc45 77.79,158.4 77.67,158.4 arc-45 76.96,158.69 74.02,161.63 arc-45 73.73,162.34 arc45 73.6,162.65 71.83,164.42 arc90 70.42,164.42 v70.25,164.25
  3V3@2 0.15: v90.2,155.05 90.2,152.8 88.62,151.22 88.62,150.38 88.5,150.26 88.5,144.65 89.7,143.45 v89.7,142.2
  Bottom 0.15: IC38.70 67.8,159.59 arc-45 67.95,159.95 68.25,160.25 arc-45 68.61,160.4 68.79,160.4 arc45 69.15,160.55 69.85,161.25 arc45 70,161.61 C233.2 | R166.1 70,163.79 arc-45 70.15,164.15 v70.25,164.25 | v80.5,123.5 80.5,117.83 arc45 81.01,116.59 86.09,111.51 arc45 87.33,111 90.45,111 arc-90 91.7,109.75 91.7,108.16 arc-45 91.41,107.46 90.41,106.46 arc-45 90.27,106.4 89.56,106.4 arc45 89.42,106.34 89.38,106.31 arc-45 89.24,106.25 S61.2
  Bottom 0.2: C233.2 R166.1
!RESET3  (via drill 0.3)
  Top 0.15: v217.7,142.2 217.7,141.81 arc-45 217.41,141.11 216.82,140.52 arc45 216.53,139.81 216.53,133.15 arc-45 216.5,133.08 216.43,133.01 arc45 216.4,132.94 216.4,129.76 arc-45 216.11,129.06 214.24,127.19 arc-45 213.54,126.9 212.31,126.9 arc45 211.61,126.61 v208.5,123.5
  Top 0.2: J33.10 226.84,160.84 arc45 226.6,160.27 226.6,156.05 arc-90 225.6,155.05 v218.2,155.05 217.19,156.06 arc45 216.49,156.35 208.46,156.35 arc-45 207.75,156.64 206.14,158.25 arc45 205.79,158.4 205.67,158.4 arc-45 204.96,158.69 202.02,161.63 arc-45 201.73,162.34 arc45 201.6,162.65 199.83,164.42 arc90 198.42,164.42 v198.25,164.25
  3V3@2 0.15: v218.2,155.05 218.2,152.8 216.62,151.22 216.62,150.38 216.5,150.26 216.5,144.65 217.7,143.45 v217.7,142.2
  Bottom 0.15: IC56.70 195.8,159.59 arc-45 195.95,159.95 196.25,160.25 arc-45 196.61,160.4 196.79,160.4 arc45 197.15,160.55 197.85,161.25 arc45 198,161.61 C341.2 | R244.1 198,163.79 arc-45 198.15,164.15 v198.25,164.25 | v208.5,123.5 208.5,117.83 arc45 209.01,116.59 214.09,111.51 arc45 215.32,111 218.45,111 arc-90 219.7,109.75 219.7,108.16 arc-45 219.41,107.46 218.41,106.46 arc-45 218.27,106.4 217.56,106.4 arc45 217.42,106.34 217.38,106.31 arc-45 217.24,106.25 S82.2
  Bottom 0.2: C341.2 R244.1
!RESET4  (via drill 0.3)
  Top 0.15: v89.7,228.2 89.7,227.81 arc-45 89.41,227.11 88.82,226.52 arc45 88.53,225.81 88.53,219.15 arc-45 88.5,219.08 88.43,219.01 arc45 88.4,218.94 88.4,215.76 arc-45 88.11,215.06 86.24,213.19 arc-45 85.54,212.9 84.31,212.9 arc45 83.61,212.61 v80.5,209.5
  Top 0.2: J43.10 98.84,246.84 arc45 98.6,246.27 98.6,242.05 arc-90 97.6,241.05 v90.2,241.05 89.19,242.06 arc45 88.49,242.35 80.46,242.35 arc-45 79.75,242.64 78.14,244.25 arc45 77.79,244.4 77.67,244.4 arc-45 76.96,244.69 74.02,247.63 arc-45 73.73,248.34 arc45 73.6,248.65 71.83,250.42 arc90 70.42,250.42 v70.25,250.25
  3V3@2 0.15: v90.2,241.05 90.2,238.8 88.62,237.22 88.62,236.38 88.5,236.26 88.5,230.65 89.7,229.45 v89.7,228.2